# Allegro board RK3588S_Tablet_Demo_LP4XD200P232SD10H2_V11_20220218.brd (continued)
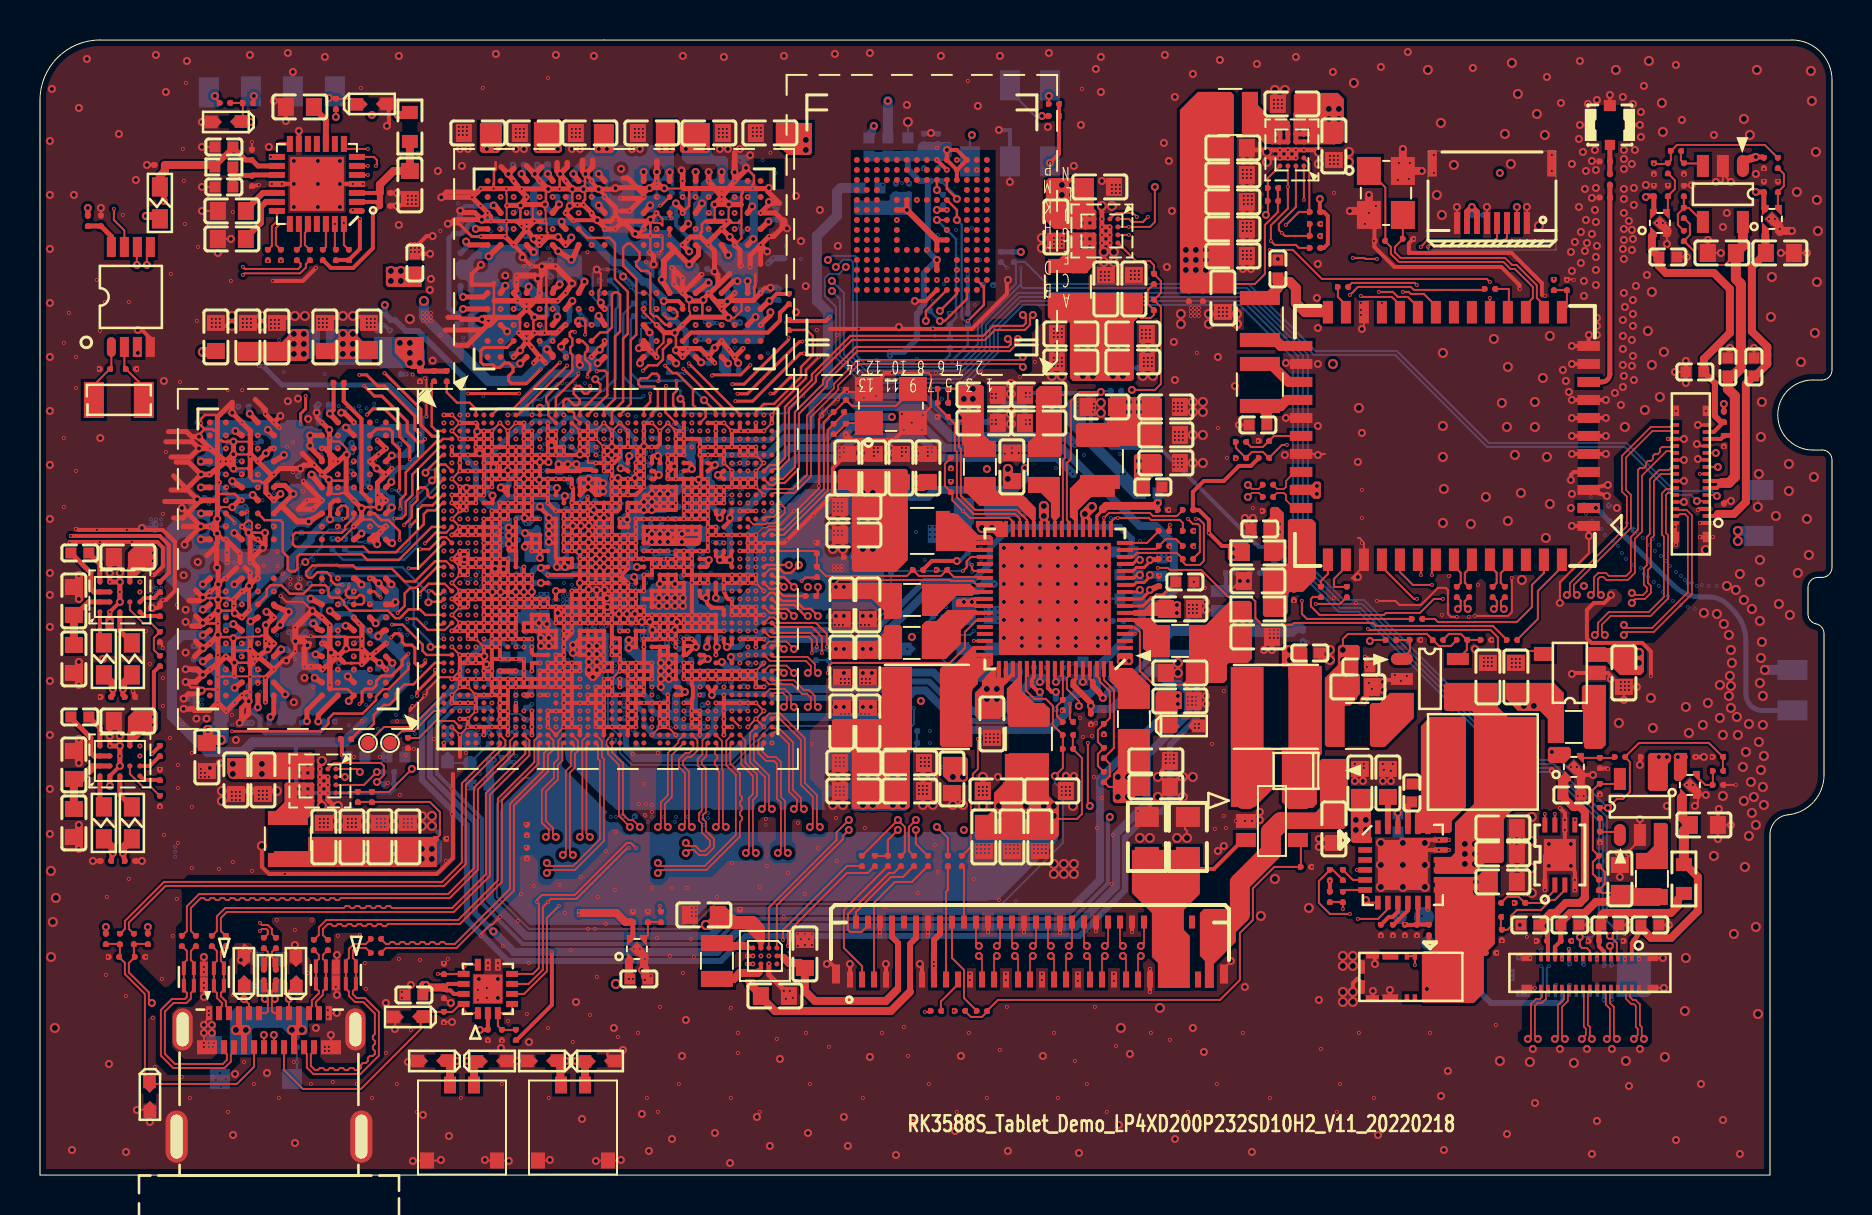
[diagram p0: board, top side]
## Routing (per net, layer and track width the routed paths; a pad name or vN(x,y) marks a point on that pad's centre or on a via; arc(x,y) is an arc through that point) (continued)
  S08 w0.079: v2(18.55,28.28) 18.55,27.97 18.78,27.73 19.56,27.73 19.64,27.65 19.64,27.53 19.53,27.43 18.91,27.43 18.73,27.25 18.73,26.92 18.49,26.68 18.49,26.26 18.41,26.18 18.25,26.18 18.17,26.26 18.17,26.67 18.09,26.75 17.94,26.75 17.86,26.67 17.86,26.26 17.78,26.18 17.68,26.18 17.6,26.26 17.6,26.97 v2(17.26,27.31)
DDR_CH0_DQ3_B: length 12.8
  S03 w0.079: v1(21.79,31.6) 21.44,31.96 v2(21.44,32) ; v2(16.84,34.63) 16.59,34.38 v1(16.49,34.38)
  S08 w0.079: v2(16.84,34.63) 16.84,34.33 16.76,34.25 16.58,34.25 16.25,33.92 16.25,33.65 16.39,33.51 16.5,33.51 16.58,33.58 16.58,33.87 16.66,33.95 16.87,33.95 16.95,33.87 16.95,33.8 17.03,33.73 17.18,33.73 17.26,33.8 17.26,33.87 17.34,33.95 17.5,33.95 17.58,33.87 17.58,33.79 17.66,33.71 17.77,33.71 17.85,33.79 17.85,34.45 17.91,34.51 17.91,34.81 18.26,35.16 18.74,35.16 19.29,34.61 19.29,34.6 19.47,34.41 19.47,33.69 19.14,33.36 19.14,33.36 19.07,33.28 19.07,33 19.3,32.77 20.14,32.77 20.27,32.9 21.36,32.9 21.44,32.82 v2(21.44,32)
DDR_CH0_DQ4_A: length 12.3
  S03 w0.079: v2(14.42,26.91) 14.6,26.91 14.89,27.21 v1(14.89,27.23) ; v1(21.79,29.6) 21.66,29.47 v2(21.66,29.3)
  S08 w0.079: v2(21.66,29.3) 21.41,29.55 20.65,29.55 19.25,30.95 18.65,30.95 18.49,30.78 17.13,30.78 16.96,30.95 15.82,30.95 15.02,30.14 15.02,28.11 14.42,27.52 v2(14.42,26.91)
DDR_CH0_DQ4_B: length 11.4
  S03 w0.079: v2(20.97,32.38) 20.99,32.41 21,32.41 v1(21.39,32.8) ; v1(14.89,34.38) 14.65,34.38 v2(14.55,34.28)
  S08 w0.079: v2(20.97,32.38) 20.97,32.04 20.89,31.96 19.38,31.96 18.78,32.56 15.35,32.56 15.04,32.87 15.04,32.98 15.19,33.13 15.19,33.24 15.08,33.36 14.97,33.36 14.73,33.11 14.62,33.11 14.5,33.22 14.5,33.34 14.75,33.58 14.75,33.69 14.63,33.8 14.52,33.8 14.35,33.62 14.23,33.62 14.13,33.73 14.13,34.32 14.21,34.4 14.42,34.4 v2(14.55,34.28)
DDR_CH0_DQ5_A: length 10.4
  S03 w0.079: v2(15.11,26.8) v1(14.89,26.58) ; v1(21.79,28.42) 21.79,28.66 v2(21.73,28.72)
  S08 w0.079: v2(15.11,26.8) 15.95,27.64 16.24,27.64 16.55,27.32 16.55,26.85 16.9,26.5 16.9,26.14 17.04,26 17.04,26 17.11,25.94 17.76,25.94 17.79,25.91 18.72,25.91 18.95,26.15 18.95,26.6 19.38,27.03 19.77,27.03 20.65,27.9 21.25,27.9 21.73,28.38 v2(21.73,28.72)
DDR_CH0_DQ5_B: length 11.4
  S03 w0.079: v1(20.99,32.8) 20.85,32.94 20.23,32.94 19.94,32.66 v2(19.94,32.43) ; v2(14.64,35.24) v1(14.85,35.03)
  S08 w0.079: v2(14.64,35.24) 14.84,35.24 14.92,35.16 14.92,34.88 14.82,34.79 14.82,34.61 14.93,34.51 15.36,34.51 15.44,34.43 15.44,34.27 15.36,34.19 14.99,34.19 14.92,34.11 14.92,33.88 15.22,33.58 15.34,33.58 15.61,33.84 15.72,33.84 15.83,33.73 15.83,33.62 15.56,33.35 15.56,33.24 15.8,33 16.22,33 16.23,33 17.69,33 18.08,33.39 18.45,33.39 18.73,33.1 18.73,32.97 19.48,32.22 19.74,32.22 v2(19.94,32.43)
DDR_CH0_DQ6_A: length 11
  S03 w0.079: v1(14.89,25.28) 14.65,25.52 13.98,25.52 13.9,25.44 13.9,25.13 14.26,24.78 14.64,24.78 14.7,24.84 15.03,24.84 15.53,24.34 16.89,24.34 17.98,25.43 17.98,26.8 19.31,28.13 20.32,28.13 v1(20.59,28.4)
DDR_CH0_DQ6_B: length 13.9
  S03 w0.079: v1(21.39,31.6) 21.32,31.6 20.84,32.09 19.83,32.09 19.09,32.83 19.09,33.32 19.23,33.47 19.23,33.58 18.71,34.09 18.71,34.28 18.14,34.85 18.14,34.99 18.07,35.06 18.07,35.95 17.69,36.32 17.21,36.32 16.54,36.99 15.79,36.99 15.52,36.72 14.71,36.72 14.33,36.34 13.98,36.34 13.66,36.03 13.66,35.85 13.74,35.77 14.3,35.77 14.43,35.64 14.74,35.64 14.93,35.84 14.93,36.31 v1(14.87,36.37)
DDR_CH0_DQ7_A: length 10.6
  S03 w0.079: v1(14.87,24.6) 14.79,24.52 14.39,24.52 14.31,24.44 14.31,24.14 14.62,23.84 15.1,23.84 15.35,24.09 15.71,24.09 15.79,24.01 15.79,23.91 15.87,23.83 16.03,23.83 16.11,23.91 16.11,24.01 16.18,24.09 17,24.09 18.2,25.28 18.2,26.74 19.4,27.95 20.94,27.95 v1(20.99,28)
DDR_CH0_DQ7_B: length 12.2
  S03 w0.079: v2(17.51,36.64) 17.24,36.64 16.63,37.24 15.64,37.24 15.38,36.98 v1(14.89,36.98) ; v1(21.79,32.8) 22.04,32.8 v2(22.09,32.75)
  S08 w0.079: v2(22.09,32.75) 22.09,34.4 21.89,34.6 21.89,34.71 22,34.82 22,34.93 21.88,35.04 21.77,35.04 21.67,34.94 21.56,34.94 21.45,35.05 21.45,35.16 21.55,35.27 21.55,35.38 21.44,35.49 21.33,35.49 21.22,35.38 21.11,35.38 21,35.49 21,35.61 21.11,35.71 21.11,35.82 20.99,35.93 20.88,35.93 20.78,35.83 20.67,35.83 20.55,35.94 20.55,36.05 20.66,36.16 20.66,36.27 20.55,36.38 20.44,36.38 20.33,36.27 20.22,36.27 19.85,36.64 v2(17.51,36.64)
DDR_CH0_DQ8_A: length 16.6
  TOP w0.152: v1(19.75,25.25) 19.75,25.06 18.85,24.15 v1(18.85,23.96)
  S03 w0.079: v1(9.29,24.63) 9.29,24.14 10.23,23.2 10.49,23.2 10.61,23.08 10.61,22.82 10.74,22.69 10.86,22.69 10.93,22.77 11.05,22.77 11.16,22.66 11.16,22.54 11.08,22.46 11.08,22.35 11.66,21.77 16.66,21.77 v1(18.85,23.96) ; v1(19.75,25.25) 19.75,25.27 20.14,25.66 20.82,25.66 21,25.84 21.23,25.84 v1(21.79,26.4)
DDR_CH0_DQ8_B: length 16.3
  S03 w0.079: v1(9.29,36.98) 9.29,37.34 10.39,38.44 10.97,38.44 12.28,39.75 18.45,39.75 19.43,38.77 19.43,37.66 19.82,37.27 19.92,37.27 20.51,36.67 20.88,36.67 21.63,35.92 21.63,35.77 v1(21.79,35.6)
DDR_CH0_DQ9_A: length 17.9
  S03 w0.079: v1(21.79,25.2) 21.19,24.6 21.08,24.6 19.86,23.37 18.94,23.37 18.58,23.01 18.58,22.93 16.9,21.25 11.45,21.25 10.42,22.28 9.85,22.28 9.83,22.3 9.82,22.3 8.58,23.54 8.58,24.72 9.14,25.28 v1(9.24,25.28)
DDR_CH0_DQ9_B: length 17.3
  TOP w0.152: v1(19,37.04) 18.75,37.29 18.75,37.94 17.23,39.45 16.88,39.45 16.33,40.01 v1(15.96,40.01)
  S03 w0.079: v1(20.99,34.8) 20.94,34.8 19,36.74 v1(19,37.04) ; v1(15.96,40.01) 12.17,40.01 10.86,38.7 9.74,38.7 9.04,37.99 9.04,36.58 v1(9.29,36.33)
DDR_CH0_DQ10_A: length 18
  S03 w0.079: v1(21.39,25.2) 19.79,23.6 18.86,23.6 16.77,21.51 11.56,21.51 8.89,24.17 8.89,24.65 9.15,24.91 9.38,24.91 9.53,25.06 9.53,25.36 9.29,25.59 v1(9.29,26.58)
DDR_CH0_DQ10_B: length 19.4
  TOP w0.152: v1(19.91,36.94) 19.61,36.94 19.05,37.5 19.05,38.29 17.24,40.09 v1(17.22,40.09)
  S03 w0.079: v1(17.22,40.09) 17.16,40.09 16.81,40.43 16.16,40.43 15.99,40.26 12.06,40.26 10.75,38.95 9.65,38.95 8.78,38.08 8.78,36.46 9.05,36.19 9.05,35.55 9.29,35.31 v1(9.29,35.03) ; v1(21.39,35.6) 21.39,35.79 20.77,36.41 20.44,36.41 v1(19.91,36.94)
DDR_CH0_DQ11_A: length 20.5
  S03 w0.079: v2(10.87,23.96) 11,23.96 12.65,22.31 15.57,22.31 15.9,22.64 16.02,22.64 16.3,22.91 16.3,23.59 16.53,23.83 17.1,23.83 18.81,25.54 18.81,26.57 19.52,27.28 20.88,27.28 21.14,27.03 21.97,27.03 v1(22.19,26.8) ; v1(9.29,27.23) 9.33,27.2 v2(10.02,27.2)
  S08 w0.079: v2(10.87,23.96) 10.74,23.96 9.33,25.37 9.33,26.99 9.54,27.2 v2(10.02,27.2)
DDR_CH0_DQ11_B: length 18.3
  TOP w0.152: v1(13.04,37.55) 13.03,37.55 13.03,38.06 13.28,38.31 v1(13.28,38.95)
  S03 w0.079: v1(13.28,38.95) 16.44,38.95 16.57,38.81 17.12,38.81 17.54,39.24 18.2,39.24 18.87,38.57 18.87,37.6 19.5,36.97 19.5,36.76 20.37,35.9 20.65,35.9 20.87,35.68 20.87,35.33 v1(21.39,34.8) ; v1(9.34,34.38) 9.35,34.37 9.6,34.37 9.84,34.13 10.25,34.13 10.89,34.77 11.14,34.77 11.87,35.5 11.87,36.38 v1(13.04,37.55)
DDR_CH0_DQ12_A: length 15
  S03 w0.079: v1(10.89,27.23) 11.09,27.23 11.34,26.98 11.54,26.98 11.63,27.07 11.88,27.07 12.02,26.94 12.26,26.94 v2(12.36,27.04) ; v1(21,26.81) 20.97,26.81 20.72,27.07 19.54,27.07 19.02,26.54 19.02,25.38 18.23,24.6 18.23,24.43 17.26,23.45 v2(17.14,23.45)
  S08 w0.079: v2(17.14,23.45) 16.8,23.79 16,23.79 14.93,24.86 14.93,25.48 14.81,25.61 14.52,25.61 14.18,25.95 14.18,26.16 12.95,27.39 12.71,27.39 v2(12.36,27.04)
DDR_CH0_DQ12_B: length 16.4
  TOP w0.152: v1(18.49,35.77) 18.49,36.41 17.98,36.91 17.98,37.55 17.22,38.31 16.64,38.31 v1(16.35,38.02)
  S03 w0.079: v1(21.79,33.2) 21.79,33.23 21.36,33.66 19.71,33.66 19.25,34.12 19.25,34.33 18.62,34.97 18.62,35.14 18.49,35.26 v1(18.49,35.77) ; v1(16.35,38.02) 16.33,38.02 16.01,37.7 14.45,37.7 14.17,37.42 13.41,37.42 13.05,37.06 13.05,36.26 11.29,34.5 11.02,34.5 v1(10.89,34.38)
DDR_CH0_DQ13_A: length 14.2
  S03 w0.079: v2(16.63,22.74) 16.64,22.73 16.9,22.73 18.62,24.45 18.62,24.72 19.95,26.05 20.71,26.05 20.97,26.32 v1(20.97,26.38) ; v1(10.94,26.58) 11,26.53 11,26.18 11.31,25.87 11.44,25.87 12.14,25.17 12.65,25.17 v2(12.77,25.29)
  S08 w0.079: v2(16.63,22.74) 16.63,22.73 15.78,22.73 15.57,22.95 15.57,23.2 15.44,23.33 15.19,23.33 14.44,24.07 14.44,24.71 13.86,25.29 v2(12.77,25.29)
DDR_CH0_DQ13_B: length 14.7
  S03 w0.079: v1(20.59,33.2) 20.37,33.43 19.69,33.43 19,34.12 19,34.3 18.36,34.93 18.36,35.14 18.27,35.23 18.27,36.09 17.83,36.53 17.83,36.8 17.6,37.02 17.6,37.19 16.36,38.44 13.53,38.44 11.61,36.52 11.61,35.7 v1(10.94,35.03)
DDR_CH0_DQ14_A: length 17
  TOP w0.145: 17.6,24.98 17.58,24.95 17.07,24.95 16.82,24.7 16.82,24.49 16.63,24.3 16.39,24.3
  TOP w0.152: v1(18.42,26.07) 18.11,25.76 18.11,25.48 17.6,24.98 ; v1(15.98,23.55) 16.1,23.67 16.1,24.15 16.26,24.3 16.39,24.3
  S03 w0.079: v1(18.42,26.07) 18.42,26.69 19.46,27.74 21.13,27.74 v1(21.39,28) ; v1(10.89,25.28) 10.89,25.38 11.12,25.61 11.31,25.61 12.15,24.77 12.27,24.77 12.41,24.91 12.52,24.91 12.63,24.8 12.63,24.69 12.49,24.54 12.49,24.43 12.6,24.32 12.71,24.32 12.85,24.46 12.97,24.46 13.08,24.35 13.08,24.24 12.93,24.1 12.93,23.99 13.05,23.88 13.16,23.88 13.3,24.02 13.41,24.02 13.52,23.91 13.52,23.8 13.38,23.65 13.38,23.48 13.47,23.39 13.94,23.39 14.02,23.46 14.02,23.76 14.1,23.83 14.25,23.83 14.33,23.76 14.33,23.46 14.41,23.39 14.57,23.39 14.65,23.46 14.65,23.5 14.73,23.58 14.88,23.58 14.96,23.5 14.96,23.46 15.04,23.39 15.81,23.39 15.97,23.55 v1(15.98,23.55)
DDR_CH0_DQ14_B: length 16.1
  S03 w0.079: v1(10.89,36.33) 10.64,36.58 10.64,37.35 10.65,37.36 10.65,37.4 12.45,39.2 16.54,39.2 16.68,39.07 17.01,39.07 17.44,39.49 18.32,39.49 19.12,38.69 19.12,37.68 19.69,37.11 19.69,36.85 20.38,36.15 20.68,36.15 21.11,35.72 21.11,35.48 v1(21.79,34.8)
DDR_CH0_DQ15_A: length 16.2
  S03 w0.079: v1(10.89,24.55) 10.96,24.63 11.34,24.63 11.5,24.48 11.5,24.36 11.34,24.21 11.34,24.1 11.45,23.99 11.57,23.99 11.62,24.04 11.73,24.04 11.85,23.93 11.85,23.82 11.79,23.77 11.79,23.65 11.9,23.54 12.01,23.54 12.07,23.6 12.18,23.6 12.29,23.49 12.29,23.38 12.23,23.32 12.23,23.21 12.31,23.13 15.9,23.13 v2(15.95,23.08) ; v1(21.79,27.98) 21.69,27.98 21.26,27.55 v2(21.26,27.41)
  S08 w0.079: v2(15.95,23.08) 17.35,23.08 17.85,23.58 20.01,23.58 20.52,24.09 20.52,24.91 20.68,25.07 20.68,25.71 20.99,26.02 20.99,27.13 v2(21.26,27.41)
DDR_CH0_DQ15_B: length 16.3
  S03 w0.079: v1(10.89,36.98) 10.89,37.3 11.91,38.31 12.11,38.31 12.52,37.9 12.63,37.9 12.74,38.01 12.74,38.12 12.57,38.3 12.57,38.42 12.65,38.5 12.81,38.5 12.97,38.34 13.08,38.34 13.42,38.69 16.42,38.69 18.01,37.1 18.01,36.78 18.09,36.71 18.09,36.56 18.17,36.47 18.17,36.47 18.71,35.93 18.71,35.43 18.87,35.27 18.87,35.01 19.49,34.39 19.49,34.14 19.76,33.87 21.54,33.87 22.19,33.21 v1(22.19,33.2)
DDR_CH0_DQS0N_A: length 7.6
  S03 w0.064: v1(20.59,25.2) 20.41,25.02 20.41,24.9 20.13,24.63 19.83,24.63 19.77,24.56 19.77,24.47 v2(19.88,24.36) ; v1(15.67,26.6) 15.88,26.6 v2(15.96,26.69)
  S08 w0.064: v2(19.88,24.36) 19.68,24.56 19.68,24.72 19.51,24.9 18.65,24.9 18.45,24.7 18.26,24.7 18.15,24.81 17.96,24.81 17.85,24.7 17.46,24.7 17.05,24.7 16.77,24.98 16.77,25.17 16.64,25.31 16.64,25.81 16.47,25.98 16.47,26.33 16.3,26.49 16.16,26.49 v2(15.96,26.69)
DDR_CH0_DQS0N_B: length 7.3
  S03 w0.064: v1(20.19,37.6) 20.19,37.61 v2(19.89,37.91) ; v1(15.67,35.05) 15.78,35.05 v2(15.96,35.23)
  S08 w0.064: v2(15.96,35.23) 15.96,35.34 16.14,35.52 16.23,35.52 16.58,35.86 16.58,36.86 17.13,37.42 18.73,37.42 19.62,38.3 19.82,38.3 20.02,38.3 20.09,38.24 20.09,38.11 v2(19.89,37.91)
DDR_CH0_DQS0P_A: length 7.3
  S03 w0.064: v1(15.67,25.95) 15.79,25.95 v2(15.96,26.12) ; v2(19.32,24.36) 19.76,24.8 20.06,24.8 20.23,24.97 20.23,25.16 v1(20.19,25.2)
  S08 w0.064: v2(15.96,26.12) 16.16,26.32 16.23,26.32 16.29,26.26 16.29,25.9 16.46,25.73 16.46,25.23 16.6,25.1 16.6,24.91 16.97,24.53 18.53,24.53 18.72,24.72 19.44,24.72 19.51,24.65 19.51,24.56 v2(19.32,24.36)
DDR_CH0_DQS0P_B: length 7.3
  S03 w0.064: v2(15.96,35.8) 15.88,35.71 15.68,35.71 v1(15.67,35.7) ; v2(20.46,37.91) 20.59,37.77 v1(20.59,37.6)
  S08 w0.064: v2(20.46,37.91) 20.26,38.11 20.26,38.31 20.09,38.48 19.55,38.48 18.66,37.59 17.06,37.59 16.4,36.93 16.4,35.93 16.16,35.69 16.07,35.69 v2(15.96,35.8)
DDR_CH0_DQS1N_A: length 13.5
  S03 w0.064: v2(19.15,22.87) 19.33,22.69 19.48,22.69 19.48,22.69 19.78,22.69 19.93,22.69 20.14,22.69 20.57,23.12 20.61,23.12 20.66,23.16 20.96,23.16 v1(20.99,23.2) ; v1(10.04,26.58) 10.09,26.54 v2(10.35,26.54)
  S08 w0.064: v2(10.35,26.54) 10.55,26.34 10.7,26.34 11.19,25.84 11.45,25.84 13,24.3 13.2,24.3 15.44,22.05 17.1,22.05 17.72,22.68 18.95,22.68 v2(19.15,22.87)
DDR_CH0_DQS1N_B: length 15.5
  S03 w0.064: v1(20.59,34.4) 20.47,34.53 20.47,34.63 20.38,34.72 20.38,34.93 19.32,35.99 18.63,36.68 18.63,37.21 18.45,37.39 17.98,37.86 17.98,38.26 v2(18.18,38.45) ; v2(10.37,35.1) 10.11,35.1 v1(10.07,35.05)
  S08 w0.064: v2(18.18,38.45) 17.97,38.25 17.97,38.1 17.81,37.94 16.39,37.94 16.15,37.7 16.1,37.65 16.1,37.14 15.38,36.42 14.51,36.42 13.75,35.66 12.85,35.66 12.08,34.88 11.26,34.88 10.82,35.32 10.59,35.32 v2(10.37,35.1)
DDR_CH0_DQS1P_A: length 14
  S03 w0.064: v2(19.15,22.31) 19.35,22.52 19.41,22.52 19.41,22.51 19.78,22.51 19.78,22.52 20.21,22.52 20.64,22.95 20.68,22.95 20.73,22.99 20.88,22.99 20.9,22.97 21.09,22.97 21.23,23.11 21.23,23.14 21.29,23.2 v1(21.39,23.2) ; v1(10.04,25.93) 10.09,25.97 v2(10.35,25.97)
  S08 w0.064: v2(10.35,25.97) 10.54,26.16 10.63,26.16 11.12,25.67 11.38,25.67 12.92,24.12 13.13,24.12 15.37,21.88 17.17,21.88 17.79,22.51 18.95,22.51 v2(19.15,22.31)
DDR_CH0_DQS1P_B: length 15.1
  S03 w0.064: v1(20.19,34.4) 20.29,34.5 20.29,34.56 20.21,34.64 20.21,34.86 19.14,35.92 18.46,36.61 18.46,37.14 18.38,37.22 17.81,37.79 17.81,38.26 v2(17.61,38.45) ; v2(10.37,35.66) 10.11,35.66 v1(10.07,35.7)
  S08 w0.064: v2(17.61,38.45) 17.8,38.26 17.8,38.17 17.74,38.11 16.32,38.11 16.03,37.82 15.93,37.72 15.93,37.21 15.31,36.59 14.44,36.59 13.67,35.83 12.78,35.83 12,35.06 11.33,35.06 10.9,35.49 10.54,35.49 v2(10.37,35.66)
DDR_CH0_LP4/4X_CKE0_A: length 8.8
  TOP w0.122: v5(19.53,26.4) U1000.AK1
  BOTTOM w0.122: R3810.1 14.61,30.09 14.74,29.96 17.93,29.96 18.68,29.21 18.68,27.48 19.53,26.63 v5(19.53,26.4)
DDR_CH0_LP4/4X_CKE0_B: length 8.8
  TOP w0.102: U1000.H2 20.27,35.53
  TOP w0.122: 20.27,35.53 20.02,35.53 19.76,35.26 19.76,34.88 v5(19.61,34.73)
  BOTTOM w0.122: v5(19.61,34.73) 18.49,33.61 18.49,31.58 18.06,31.15 15.4,31.15 R3812.2
DDR_CH0_LP4/4X_CKE1_A: length 8
  TOP w0.122: v5(19.42,28.63) 19.45,28.66 20.05,28.66 U1000.AD1
  BOTTOM w0.122: v5(19.42,28.63) 19.42,29.08 18.11,30.39 14.98,30.39 14.85,30.52 13.93,30.52 13.91,30.5 13.89,30.5 R3811.1
DDR_CH0_LP4/4X_CKE1_B: length 11
  TOP w0.122: U1000.F1 20.12,36 19.28,35.16 v5(19.28,35.11)
  BOTTOM w0.122: v5(19.28,35.11) 19.43,35.26 19.76,35.26 20.01,35.01 20.01,34.62 19.99,34.6 19.99,34.57 18.87,33.46 18.87,31.42 18.21,30.77 15.14,30.77 R3813.2
DDR_CH0_LP4/4X_CS0_A: length 11.9
  TOP w0.102: 20.3,30.69 U1000.Y2
  TOP w0.122: v1(15.13,29.5) 15.12,29.52 14.76,29.52 14.55,29.73 14.55,29.93 14.34,30.14 13.87,30.14 13.6,29.87 13.43,29.87 13.3,29.99 13.3,30.16 13.62,30.48 15.65,30.48 15.82,30.31 17.6,30.31 18.23,29.68 18.74,29.68 19.76,30.69 20.3,30.69
  S03 w0.064: v1(15.13,29.5) 15.1,29.47 15.1,29.13 14.89,28.92 v1(14.89,28.53)
DDR_CH0_LP4/4X_CS0_B: length 11.1
  TOP w0.122: v1(18.2,32.5) 18.59,32.89 18.59,33.46 18.87,33.74 18.87,34.25 18.99,34.38 19.26,34.38 19.38,34.25 19.38,33.99 19.5,33.87 19.63,33.87 19.91,34.14 19.91,34.52 20.19,34.8 U1000.J1 ; v1(15.16,32.81) 15.26,32.81 15.38,32.93 15.38,33.34 15.26,33.46 15.06,33.46 14.87,33.27 14.87,33.1 14.89,33.08
  S03 w0.064: v1(15.16,32.81) 15.29,32.94 15.29,33.03 15.23,33.09 14.87,33.09 14.81,33.03 14.81,32.78 15.16,32.43 15.33,32.43 15.41,32.51 15.41,32.75 15.46,32.81 15.54,32.81 15.6,32.75 15.6,32.57 15.66,32.51 15.75,32.51 15.84,32.6 16.38,32.6 16.42,32.64 17.35,32.64 17.4,32.58 18.11,32.58 v1(18.2,32.5)
DDR_CH0_LP4/4X_CS1_A: length 10
  TOP w0.122: U3800.H3 16.1,28.53 16.2,28.63 16.2,28.89 16.1,28.99 15.95,28.99 15.82,28.87 15.43,28.87 15.29,29 15.29,29.22 15.44,29.36 v1(15.44,29.5) ; v1(19.44,29.2) 19.6,29.2 19.76,29.04 20.03,29.04 U1000.AC1
  S03 w0.064: v1(19.44,29.2) 19.36,29.28 18.2,29.28 18.07,29.42 17.92,29.42 17.85,29.35 17.85,29.1 17.79,29.04 17.65,29.04 17.44,29.25 17.3,29.25 17.18,29.13 16.92,29.13 16.62,29.43 16.49,29.43 16.26,29.2 16.09,29.2 15.87,28.99 15.87,28.55 15.78,28.46 15.26,28.46 15.19,28.53 15.19,28.88 15.44,29.14 v1(15.44,29.5)
DDR_CH0_LP4/4X_CS1_B: length 13.2
  TOP w0.122: 15.69,33.08 15.69,32.87 15.26,32.44 15.26,32.28 15.09,32.11 12.77,32.11 12.65,31.99 12.65,31.54 12.77,31.41 16.18,31.41 16.46,31.13 17.79,31.13 19.19,32.54 19.19,33.04 19.38,33.23 19.76,33.23 20.13,33.6 U1000.M1
DDR_CH1_A0_C: length 9.2
  TOP w0.102: 26.7,37.89 U1000.B18
  TOP w0.122: U3801.H2 27.12,41.7 27.38,41.45 27.38,41.23 27.25,41.11 27.25,40.79 27.51,40.53 27.51,40.22 27.38,40.09 v1(27.38,39.91) ; v1(27.51,39.45) 27.54,39.42 27.54,39.24 27.37,39.07 27.21,39.07 27.1,39.18 27.1,39.35 27,39.45 26.82,39.45 26.68,39.32 26.68,39.06 26.99,38.76 26.99,38.6 26.87,38.49 26.72,38.49 26.41,38.79 26.26,38.79 26.18,38.71 26.18,38.43 26.42,38.19 26.62,38.19 26.7,38.1 26.7,37.89
  S03 w0.079: v1(27.38,39.91) 27.25,39.91 27.17,39.83 27.17,39.16 27.4,38.93 27.54,38.93 27.62,39.01 27.62,39.34 v1(27.51,39.45)
DDR_CH1_A0_D: length 10.4
  TOP w0.122: v1(30.51,39.07) 30.51,38.65 30.19,38.33 U1000.A26 ; U3801.R2 31.48,41.62 31.15,41.29 31.15,40.77 30.86,40.48 30.42,40.48 v1(30.15,40.22)
  S03 w0.064: v2(30.44,40.34) 30.31,40.22 v1(30.15,40.22) ; v1(30.51,39.07) 30.53,39.07 v2(30.74,39.29)
  S08 w0.064: v2(30.74,39.29) 30.72,39.31 30.72,39.47 30.83,39.58 31.11,39.58 31.18,39.65 31.18,40.07 31.11,40.13 31,40.13 30.93,40.2 30.93,40.32 31,40.39 31.22,40.39 31.28,40.45 31.28,40.8 31.18,40.9 31.18,41.04 31.11,41.11 31,41.11 30.93,41.17 30.93,41.3 31,41.36 31.11,41.36 31.18,41.43 31.18,41.6 31.11,41.66 30.98,41.66 30.81,41.49 30.36,41.49 30.3,41.42 30.3,41.3 30.36,41.23 30.57,41.23 30.82,40.98 30.82,40.49 30.68,40.34 v2(30.44,40.34)
DDR_CH1_A1_C: length 9.8
  TOP w0.122: U3801.J2 28.01,42.13 28.34,42.13 28.6,42.38 28.6,44.01 28.72,44.13 28.89,44.13 29,44.01 29,42.18 28.75,41.92 28.75,38.82 28.19,38.26 U1000.A21
DDR_CH1_A1_D: length 12.1
  TOP w0.122: U1000.A27 30.59,38.1 30.9,38.4 30.9,39.24 30.72,39.42 30.04,39.42 29.92,39.54 29.92,39.71 30.04,39.84 30.37,39.84 30.6,40.07 30.83,40.07 30.95,39.94 30.95,39.73 v1(30.91,39.69)
  S03 w0.064: v1(30.91,39.69) 30.91,39.94 30.77,40.08 30.77,40.89 30.82,40.94 30.82,41.33 30.76,41.4 30.32,41.4 30.28,41.44 30.28,41.53 30.38,41.64 30.38,41.73 30.29,41.82 30.2,41.82 30.1,41.71 30.01,41.71 29.9,41.82 29.9,41.94 29.97,42 30.05,42 30.12,42.07 30.12,42.19 30.05,42.26 29.79,42.26 29.72,42.32 29.72,43.22 29.79,43.28 29.88,43.28 30.05,43.11 30.05,42.57 30.16,42.45 30.36,42.45 30.43,42.52 30.43,42.65 30.49,42.71 30.61,42.71 30.67,42.65 30.67,42.38 30.79,42.27 30.79,41.7 v1(30.81,41.68)
DDR_CH1_A2_C: length 11.7
  TOP w0.122: U1000.B22 28.59,38.13 29.16,38.69 29.16,41.83 29.39,42.06 29.39,44.17 28.75,44.81 28.75,46.59 28.48,46.86 27.38,46.86 U3801.H9
DDR_CH1_A2_D: length 11.9
  TOP w0.122: v1(31.48,46.98) U3801.R9 ; U1000.A30 31.79,38.34 31.66,38.48 31.66,39.03 31.82,39.2 v1(31.82,39.71)
  S03 w0.064: v1(31.82,39.71) 31.88,39.77 31.88,40.16 31.77,40.27 31.68,40.27 31.49,40.46 31.49,41.11 31.49,41.11 31.49,41.37 31.49,41.37 31.49,41.48 31.58,41.57 31.77,41.57 31.83,41.63 31.83,41.73 31.77,41.8 31.62,41.8 31.47,41.95 31.47,41.95 31.43,41.99 31.43,42.27 31.71,42.54 31.71,43.48 31.71,45 31.61,45.1 31.54,45.1 31.47,45.16 31.47,45.25 31.54,45.32 31.65,45.32 31.71,45.38 31.71,45.51 31.65,45.57 31.42,45.57 31.35,45.63 31.35,45.76 31.42,45.82 31.65,45.82 31.71,45.89 31.71,46.01 31.65,46.08 31.54,46.08 31.47,46.14 31.47,46.27 31.54,46.33 31.65,46.33 31.71,46.4 31.71,46.48 31.66,46.54 31.55,46.54 31.49,46.6 31.49,46.68 31.55,46.73 31.64,46.73 31.7,46.79 31.7,46.87 31.58,46.98 v1(31.48,46.98)
DDR_CH1_A3_C: length 12.9
  TOP w0.122: v1(25.99,40.62) 25.97,40.62 23.66,38.31 22.9,38.31 U1000.A7
  S03 w0.064: v1(26.94,48.11) 26.64,47.81 26.64,47.51 26.24,47.11 26.24,45.96 26.08,45.81 26.08,45.23 25.67,44.82 25.67,44.41 25.67,44.4 25.67,43.59 26.21,43.05 26.21,41.79 26.36,41.65 26.36,41.28 26.07,40.99 26.07,40.7 v1(25.99,40.62)
DDR_CH1_A3_D: length 11.2
  TOP w0.122: v1(32.16,40.3) 32.18,40.3 34.19,38.29 U1000.A36 ; v1(31.57,47.84) 31.48,47.92 U3801.R10
  S03 w0.064: v1(31.57,47.84) 31.63,47.78 31.63,47.42 31.63,47.24 31.93,46.94 31.93,46.56 31.93,46.56 31.93,44 31.93,42.79 32.05,42.67 32.05,42.24 32.05,41.55 32.14,41.46 32.14,40.38 32.16,40.35 v1(32.16,40.3)
DDR_CH1_A4_C: length 13.5
  TOP w0.122: v1(26.35,40.47) 26.35,40.46 23.89,38 U1000.A10
  S03 w0.064: v1(26.92,48.88) 27.25,48.55 27.25,47.99 26.89,47.64 26.89,45.64 26.29,45.04 26.29,44.71 26.29,44.7 26.29,44.41 26.29,44.41 26.11,44.23 25.89,44.01 25.89,43.68 26.43,43.14 26.43,41.88 26.62,41.7 26.62,41.52 26.95,41.18 26.95,40.89 26.53,40.47 v1(26.35,40.47)
DDR_CH1_A4_D: length 13.4
  TOP w0.102: 33.28,37.89 U1000.B33
  TOP w0.122: U3801.R11 31.06,48.48 31.02,48.48 v1(31,48.47) ; v1(31.26,40.47) 31.64,40.09 31.86,40.09 32.65,39.3 32.65,38.5 32.84,38.31 33.16,38.31 33.28,38.19 33.28,37.89
  S03 w0.064: v1(31,48.47) 30.86,48.33 30.86,47.89 31.27,47.48 31.27,47.12 31.2,47.05 31.2,46.75 31.26,46.69 31.26,46.08 31.14,45.96 31.14,45.16 31.5,44.8 31.5,43.82 31.5,42.63 31.43,42.57 31.22,42.36 31.22,41.9 31.26,41.86 31.26,41.86 v1(31.26,40.47)
DDR_CH1_A5_C: length 12.4
  TOP w0.122: U1000.A15 25.79,38.87 26.92,39.99 v1(26.92,40.08)
  S03 w0.064: v1(27.58,48.9) 27.47,48.79 27.47,47.84 27.12,47.49 27.12,45.53 26.91,45.32 26.91,44.55 26.92,44.54 27.29,44.17 27.29,43.88 27.2,43.79 27.2,43.45 27.25,43.39 27.25,43.08 26.92,42.75 26.92,42.47 27,42.39 27,41.44 27.17,41.27 27.17,40.77 27.34,40.6 27.34,40.37 27.04,40.07 26.93,40.07 v1(26.92,40.08)
DDR_CH1_A5_D: length 12.6
  TOP w0.122: v1(32.44,40.58) 34.99,38.03 U1000.A38
  S03 w0.064: v1(32.44,40.58) 32.36,40.67 32.36,41.54 32.27,41.63 32.27,42.82 32.15,42.94 32.15,46.65 32.14,46.65 32.14,47.03 31.84,47.33 31.84,47.95 30.89,48.9 v1(30.88,48.9)
DDR_CH1_CLKN_C: length 11.2
  S03 w0.064: v1(28.19,36.8) 28.19,36.82 28.43,37.05 28.43,39.99 28.64,40.2 28.64,45.2 28.27,45.57 28.27,46.59 27.83,47.03 27.64,47.03 27.58,47.09 v1(27.58,47.3)
DDR_CH1_CLKN_D: length 16.1
  S03 w0.064: v1(30.79,47.3) 30.69,47.2 30.34,47.2 30.09,47.45 30.09,47.85 29.85,48.09 29.28,48.09 29.11,47.91 29.11,46.95 29.21,46.85 29.56,46.5 29.89,46.5 30.07,46.32 30.07,46.03 29.46,45.42 29.46,45.13 29.64,44.95 30.15,44.95 30.3,44.8 30.3,44.62 29.95,44.28 29.53,44.28 29.17,43.92 29.17,43.9 29.12,43.85 29.12,43.53 29.15,43.51 29.15,42.1 29.34,41.91 29.34,41.39 29.19,41.24 29.19,40.28 28.78,39.87 28.78,37.01 v1(28.99,36.8)
DDR_CH1_CLKP_C: length 10.5
  S03 w0.064: v1(28.19,37.2) 28.25,37.26 28.25,40.06 28.47,40.27 28.47,45.13 28.09,45.5 28.09,46.52 27.76,46.85 27.64,46.85 27.58,46.79 v1(27.58,46.5)
DDR_CH1_CLKP_D: length 16
  S03 w0.064: v1(30.79,46.5) 30.79,46.97 30.73,47.03 30.27,47.03 29.92,47.38 29.92,47.78 29.78,47.92 29.35,47.92 29.28,47.84 29.28,47.03 29.63,46.67 29.96,46.67 30.24,46.39 30.24,45.96 29.64,45.35 29.64,45.2 29.72,45.13 30.22,45.13 30.47,44.87 30.47,44.55 30.03,44.1 29.6,44.1 29.34,43.85 29.34,43.83 29.29,43.78 29.29,43.6 29.32,43.58 29.32,42.17 29.51,41.98 29.51,41.32 29.36,41.17 29.36,40.21 28.96,39.8 28.96,39.24 29.06,39.13 29.06,38.94 28.96,38.83 28.96,38.64 29.06,38.53 29.06,38.34 28.96,38.23 28.96,37.24 v1(28.99,37.2)
DDR_CH1_DM0_C: length 11
  S03 w0.079: v2(23.78,42.8) 23.71,42.73 v1(23.71,42.5) ; v1(26.59,36.4) 26.68,36.4 26.98,36.7 v2(26.98,36.7)
  S08 w0.079: v2(26.98,36.7) 26.91,36.78 26.91,37.27 27.6,37.95 27.6,39.47 27.44,39.63 27.44,40.78 26.24,41.98 26.24,43.03 25.74,43.52 24.49,43.52 v2(23.78,42.8)
DDR_CH1_DM0_D: length 13.4
  S03 w0.064: v2(30.99,37.06) 30.85,37.06 v1(30.59,36.8)
  S03 w0.079: v1(34.77,42.53) 34.97,42.53 35.63,41.87 35.63,41.54 35.15,41.06 v2(35.11,41.06)
  S08 w0.079: v2(30.99,37.06) 30.99,37.48 31.07,37.56 31.58,37.56 31.75,37.73 34.88,37.73 34.96,37.81 34.96,37.96 34.88,38.04 34.68,38.04 34.6,38.12 34.6,38.28 34.68,38.36 34.88,38.36 34.96,38.44 34.96,38.59 34.88,38.67 34.68,38.67 34.6,38.75 34.6,38.91 34.68,38.99 34.88,38.99 34.96,39.07 34.96,39.22 34.88,39.3 34.68,39.3 34.6,39.38 34.6,39.54 34.68,39.62 35.15,39.62 35.22,39.7 35.22,39.88 35.15,39.96 34.7,39.96 34.62,40.04 34.62,40.18 34.7,40.26 35.12,40.26 35.27,40.4 35.27,40.9 v2(35.11,41.06)
DDR_CH1_DM1_C: length 15.6
  S03 w0.079: v1(23.66,48.13) v2(23.37,47.84) ; v2(20.52,45.93) 20.43,45.84 20.43,42.85 21.5,41.78 21.5,40.78 21.71,40.57 21.71,39.75 22.39,39.07 22.86,39.07 23.11,38.82 23.57,38.82 24.08,38.31 24.08,37.93 24.33,37.68 24.33,37.47 v1(24.99,36.8)
  S08 w0.079: v2(23.37,47.84) 21.46,45.93 v2(20.52,45.93)
DDR_CH1_DM1_D: length 16.6
  TOP w0.152: v1(38.2,41.08) 38.02,41.08 35.63,38.69 v1(34.77,38.69)
  S03 w0.079: v1(38.2,41.08) 38.39,41.27 38.39,43.35 37.94,43.8 37.94,45.91 36.78,47.08 36.78,47.9 36.7,47.98 36.25,47.98 36.09,47.82 35.02,47.82 v1(34.73,48.1) ; v1(32.99,37.2) 33.08,37.2 33.94,38.06 34.11,38.06 34.74,38.69 v1(34.77,38.69)
